# Altium PCB jetson-nano-0928-12.PcbDoc (part 3 of 6) (continued)
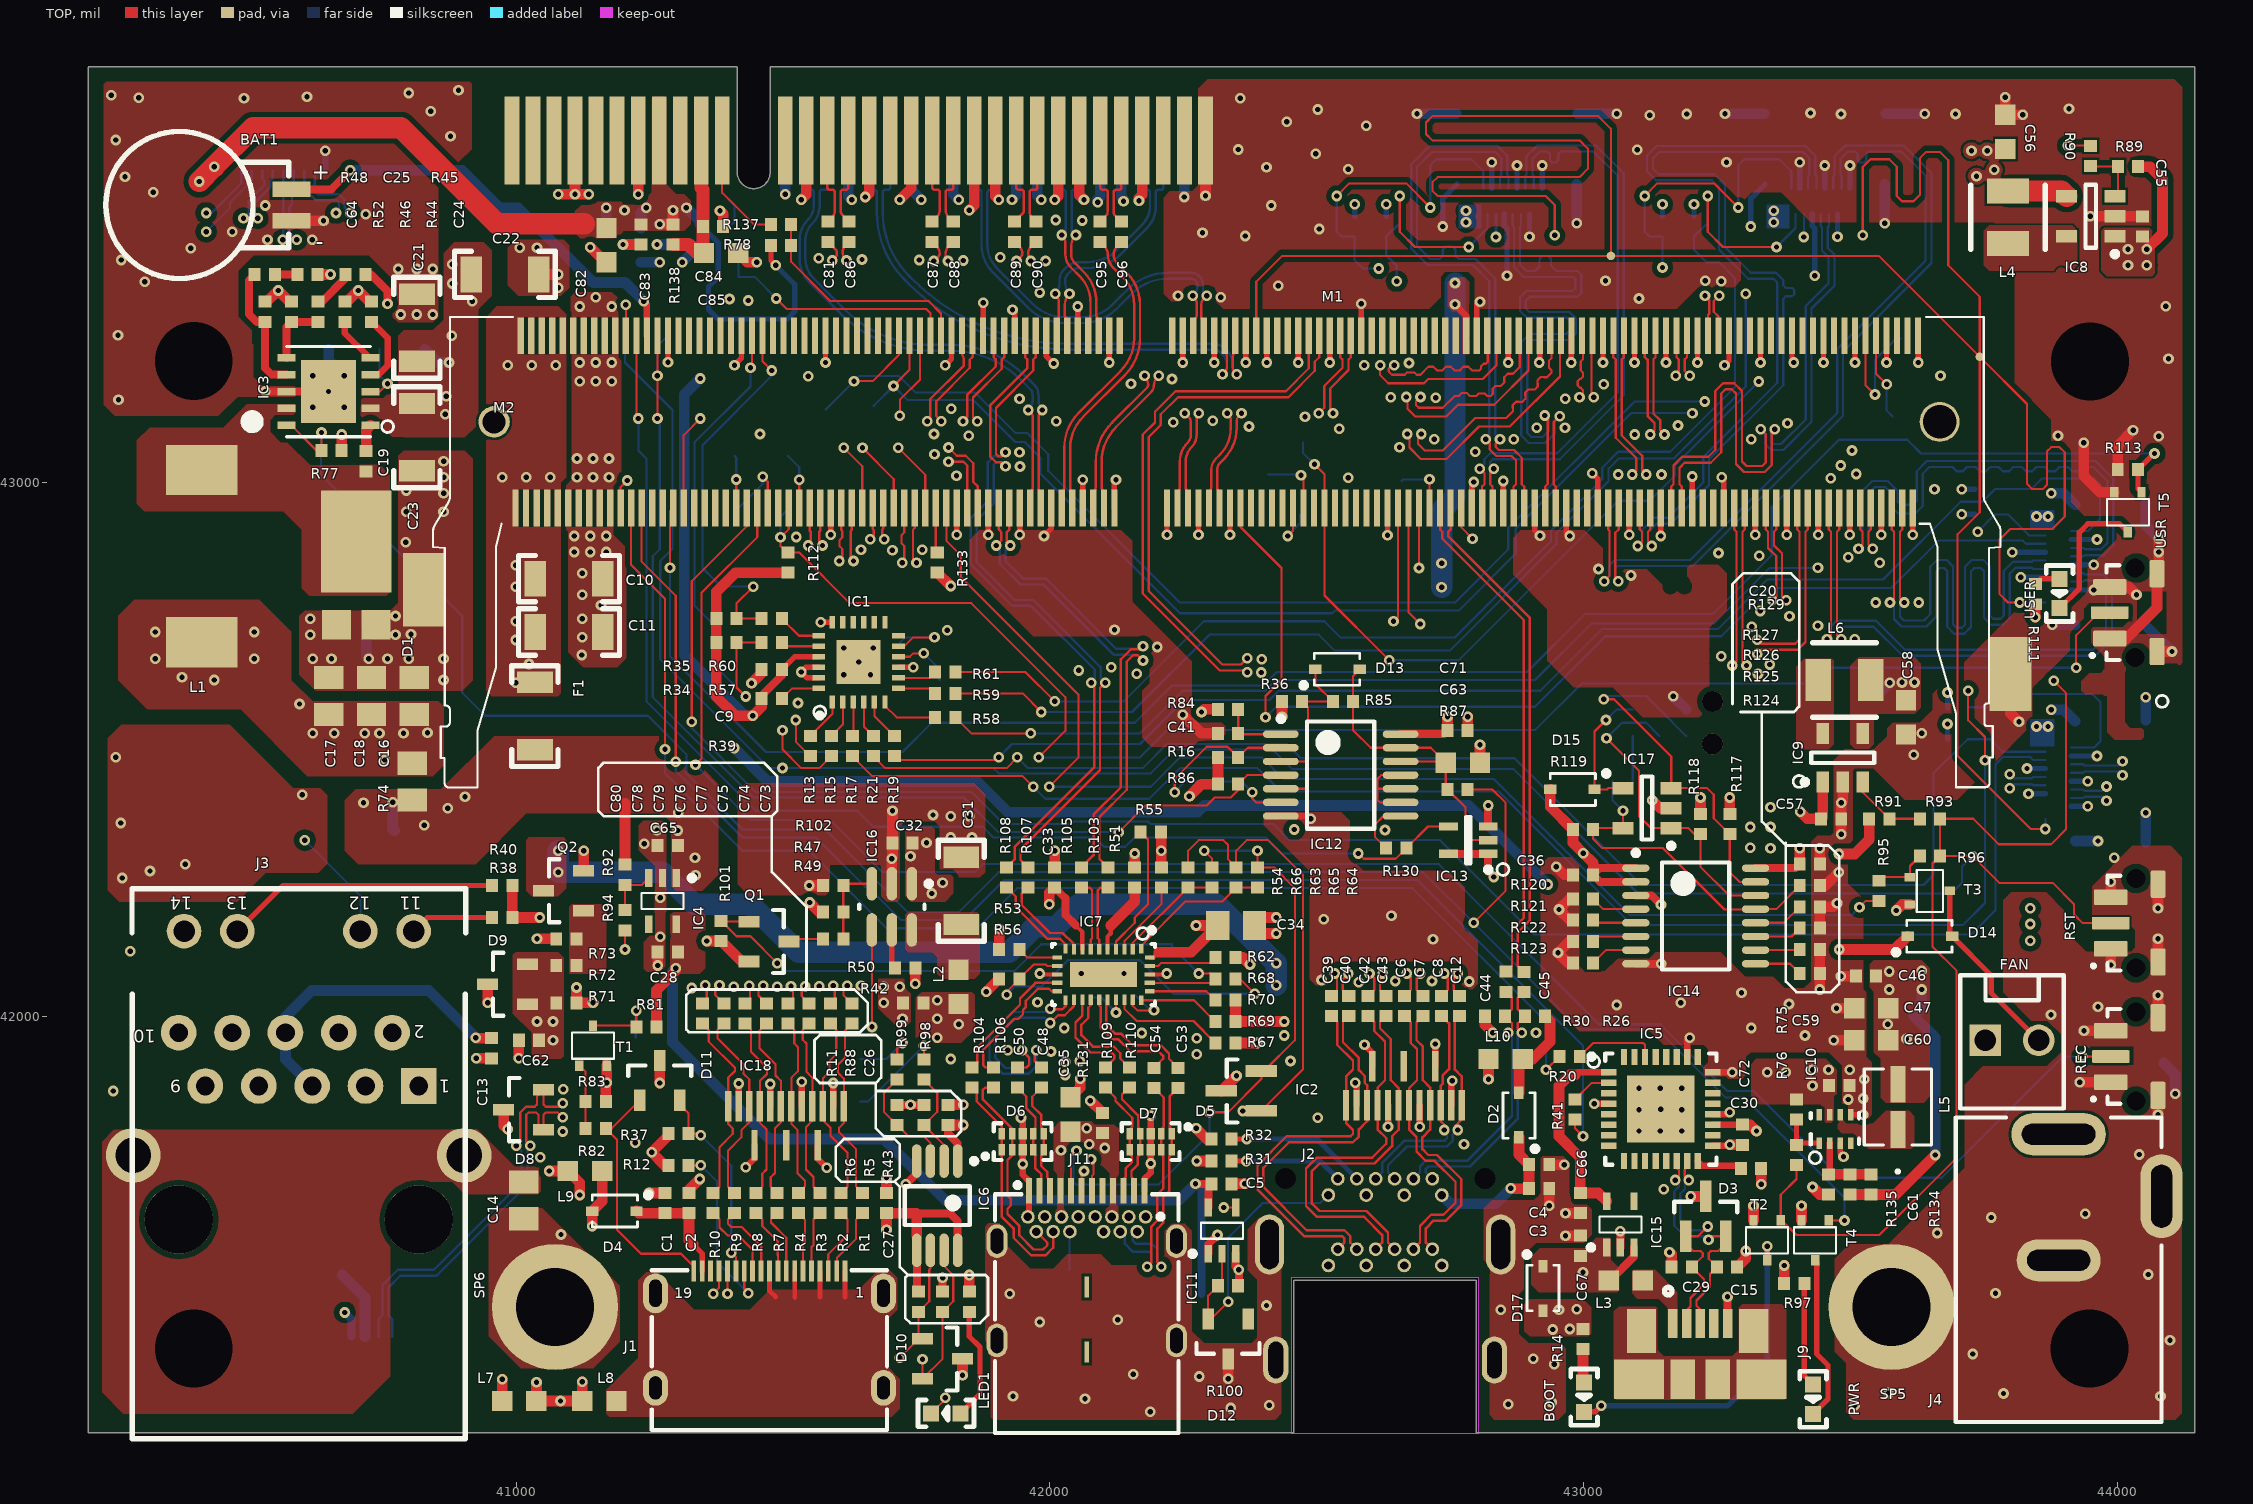
[diagram p0: TOP view]
## Nets (pads, with @x,y where several pads share a name; then routed paths per layer and width w, separated by ;. In a path a pad name is that pad's centre, name@x,y a point inside that pad or via, vN(x,y) a via of type N, cw(c..) or ccw(c..) an arc to the next point about the centre after c; other vN are vias at no path point) (continued)
GEN0_SCL: IC14.14 IC17.1 M1.185 R118.2 TP23.1 TP30.4 | length 3354.9
  TOP w4: v1(41706.82,43181.46) 41736.92,43211.56 M1.185@41736.93,43275.59 ; v1(43042.82,42521.47) 43103.82,42460.47 43103.82,42375.47 43126.23,42353.06 43196.23,42353.06 43207.73,42341.56 R118.2@43218.82,42341.56 43218.82,42280.47 43272.56,42226.73 IC14.14@43322.13,42226.73
  L4_SIG w5: v1(43042.82,42521.47) 43015.82,42548.47 43015.82,42727.47 43222.44,42934.09 43222.44,43111.85 v1(43203.82,43130.47)
  BOTTOM w4: TP23.1@41669.83,43144.47 v1(41706.82,43181.46) 41732.81,43155.47 41855.82,43155.47 41934.82,43076.47 41952.82,43076.47 41981.82,43047.47 41981.82,43017.47 42243.82,42755.47 42528.82,42755.47 42533.82,42760.47 42765.82,42760.47 42872.82,42867.47 42872.82,42914.47 43088.82,43130.47 v1(43203.82,43130.47) ; v1(43042.82,42521.47) 43071.82,42550.47 43117.01,42550.47 TP30.4@43142.12,42525.37
GEN0_SDA: IC14.15 IC17.3 M1.187 R117.2 TP24.1 TP30.3 TP30.6 | length 3545.9
  TOP w4: v1(41632.83,43190.47) 41667.82,43190.47 41717.24,43239.89 M1.187@41717.24,43275.59 ; v1(43037.82,42594.47) 43056.82,42594.47 43164.1,42487.19 IC17.3@43164.1,42427.86 43231.43,42427.86 43243.82,42415.47 43243.82,42371.56 R117.2@43273.82,42341.56 43273.82,42270.47 43291.97,42252.32 IC14.15@43322.13,42252.32
  L4_SIG w5: v1(43037.82,42594.47) 43037.82,42731.47 43233.82,42927.47 43233.82,43145.47 v1(43226.82,43152.47)
  BOTTOM w4: TP24.1@41579.83,43137.47 v1(41632.83,43190.47) 41642.83,43200.47 41716.82,43200.47 41747.82,43169.47 41858.82,43169.47 41934.71,43093.58 41956.93,43093.58 41996.82,43053.69 41996.82,43022.47 42243.82,42775.47 42758.82,42775.47 42858.82,42875.47 42858.82,42915.47 43095.82,43152.47 v1(43226.82,43152.47) ; v1(43037.82,42594.47) 43043.82,42600.47 43117.21,42600.47 TP30.3@43142.12,42575.57 TP30.6@43192.31,42525.37
GND: BAT1.- C1.1 C2.1 C3.1 C4.1 C5.1 C9.1 C10.1 C11.1 C13.2 C14.2 C15.1 C16.1 C17.1 C18.1 C20.1 C21.1 C22.1 C23.1 C24.2 C25.1 C26.2 C27.1 C28.1 C29.1 C30.1 C31.1 C32.1 C33.2 C34.1 C35.1 C36.1 C41.1 C46.1 C47.1 C55.1 C56.1 C57.1 C58.1 C59.1 C60.1 C62.1 C63.1 C64.1 C65.1 C66.1 C67.1 C71.1 C72.1 C82.1 C83.1 C84.1 C85.1 C91.1 C92.1 C93.1 C94.1 D1.A D3.3 D5.3 D6.3 D6.8 D7.3 D7.8 D8.3 D9.3 D10.3 D11.3 D12.3 IC1.0 IC1.9 IC1.18 IC1.22 IC1.23 IC2.2 IC2.5 IC2.8 IC2.11 IC3.8 IC3.11 IC4.2 IC5.4 IC5.17 IC5.20 IC5.24 IC5.26 IC5.33 IC6.4 IC7.13 IC7.28 IC7.31 IC8.2 IC9.2 IC10.3 IC10.5 IC11.1 IC11.3 IC12.7 IC13.3 IC14.3 IC14.8 IC15.2 IC16.2 IC17.2 IC18.2 IC18.5 IC18.8 IC18.11 J2.1 J2.7 J2.8 J2.13 J2.14 J2.19 J2.21 J2.22 J2.23 J2.24 J4.2 J4.3 J5.5 J6.4 J6.7 J6.10 J6.13 J6.16 J6.20 J6.21 J6.22 J6.23 J7.4 J7.7 J7.10 J7.13 J7.16 J7.20 J7.21 J7.22 J7.23 J9.5 J10.10 J11.A1 J11.A12 J11.B1 J11.B12 J11.Shell J12.A04 J12.A12 J12.A15 J12.A18 J12.A20 J12.A23 J12.A24 J12.A27 J12.A28 J12.A31 J12.B04 J12.B07 J12.B13 J12.B16 J12.B18 J12.B21 J12.B22 J12.B25 J12.B26 J12.B29 J12.B32 J13.4 J13.7 J13.10 J13.13 J13.16 J13.20 J13.21 J13.22 J13.23 J14.4 J14.7 J14.10 J14.13 J14.16 J14.20 J14.21 J14.22 J14.23 L7.2 L8.1 M1.1 M1.2 M1.7 M1.8 M1.13 M1.14 M1.19 M1.20 M1.25 M1.26 M1.31 M1.32 M1.37 M1.38 M1.43 M1.44 M1.49 M1.50 M1.55 M1.56 M1.61 M1.62 M1.67 M1.68 M1.73 M1.74 M1.79 M1.80 M1.85 M1.86 M1.102 M1.107 M1.113 M1.119 M1.125 M1.129 M1.132 M1.135 M1.138 M1.141 M1.144 M1.146 M1.147 M1.152 M1.153 M1.158 M1.159 M1.164 M1.165 M1.170 M1.171 M1.176 M1.177 M1.200 M1.201 M1.217 M1.231 M1.241 M1.242 M1.243 M1.244 M1.245 M1.246 M1.247 M1.248 M1.249 M1.250 M1.261 M1.262 Q2.2 R12.1 R30.1 R31.1 R32.1 R37.2 R44.2 R50.1 R52.1 R56.1 R62.1 R73.2 R83.2 R100.1 R102.1 R113.2 R120.2 R121.2 R122.2 R123.2 R124.2 R125.2 R126.2 R127.2 R129.1 R131.1 R133.2 R135.1 REC.1 REC.3 REC.SH1 REC.SH2 RST.1 RST.3 RST.SH1 RST.SH2 SP1.1 SP2.1 SP3.1 SP5.1 SP6.1 T1.2 T2.2 T3.2 T4.2 T5.2 TP17.1 TP30.5 TP44.1 USR.1 USR.3 USR.SH1 USR.SH2 | length 13765.6
  TOP w8: v1(41980.82,42080.47) 41982.55,42078.74 IC7.13@42013.5,42078.74 ; IC7.28@42186.72,42078.74 42217.09,42078.74 v1(42218.82,42080.47)
  TOP w10: v1(41284.17,43225.82) M1.231@41284.17,43275.59 ; v1(41408.82,43220.47) 41421.96,43233.61 M1.217@41421.96,43275.59 ; IC1.23@41566.68,42634.58 41544.71,42634.58 v1(41533.82,42645.47) 41542.62,42654.27 IC1.22@41566.68,42654.27 ; v1(41570.82,42738.91) IC1.18@41592.27,42738.91 ; v1(41579.44,43225.47) M1.201@41579.45,43275.59 ; v1(41589.29,42902.64) M1.200@41589.29,42952.76 ; IC1.9@41716.28,42654.27 v1(41743.82,42654.27) ; v1(41803.82,43220.47) 41815.66,43232.31 M1.177@41815.67,43275.59 ; v1(41825.51,42902.64) M1.176@41825.51,42952.76 ; M1.171@41874.72,43275.59 v1(41874.72,43337.47) ; v1(41884.56,42902.64) M1.170@41884.56,42952.76 ; v1(41929.82,43324.47) 41933.77,43320.52 M1.165@41933.78,43275.59 ; v1(41943.62,42902.64) M1.164@41943.62,42952.76 ; v1(41988.82,42900.47) 42002.67,42914.32 M1.158@42002.67,42952.76 ; M1.159@41992.83,43275.59 41992.83,43237.46 v1(42006.82,43223.47) ; M1.153@42051.89,43275.59 v1(42051.88,43330.47) ; M1.152@42061.73,42952.76 v1(42061.73,43005.47) ; v1(42110.94,43225.47) M1.147@42110.94,43275.59 ; M1.146@42120.78,42952.76 42120.78,43002.43 v1(42123.82,43005.47) ; v1(42219.21,42902.64) M1.144@42219.21,42952.76 ; v1(42248.74,43225.47) M1.141@42248.74,43275.59 ; v1(42278.26,42902.64) M1.138@42278.26,42952.76 ; v1(42307.79,43225.47) M1.135@42307.79,43275.59 ; v1(42337.32,42902.64) M1.132@42337.32,42952.76 ; v1(42366.85,43225.47) M1.129@42366.85,43275.59 ; v1(42406.22,43225.47) M1.125@42406.22,43275.59 ; v1(42465.27,43225.47) M1.119@42465.27,43275.59 ; v1(42524.33,43225.47) M1.113@42524.33,43275.59 ; M1.107@42583.38,43275.59 v1(42583.38,43335.47) ; v1(42632.59,42901.47) M1.102@42632.59,42952.76 ; M1.86@42790.08,42952.76 42790.07,42997.72 v1(42793.82,43001.47) ; M1.85@42799.92,43275.59 42799.92,43333.57 v1(42805.82,43339.47) ; M1.80@42849.13,42952.76 v1(42849.13,43003.47) ; v1(42858.97,43225.47) M1.79@42858.97,43275.59 ; M1.74@42908.19,42952.76 42908.18,42911.11 v1(42918.32,42900.97) ; v1(42916.82,43225.47) 42918.03,43226.68 M1.73@42918.03,43275.59 ; M1.68@42967.24,42952.76 42967.24,42907.05 v1(42973.82,42900.47) ; v1(42977.08,43225.47) M1.67@42977.08,43275.59 ; v1(43016.32,43017.97) 43026.29,43008 M1.62@43026.3,42952.76 ; v1(43036.14,43225.47) M1.61@43036.14,43275.59 ; v1(43085.35,42902.47) M1.56@43085.35,42952.76 ; v1(43095.19,43225.47) M1.55@43095.19,43275.59 ; v1(43144.4,42900.47) M1.50@43144.41,42952.76 ; v1(43154.25,43225.47) M1.49@43154.25,43275.59 ; M1.44@43203.46,42952.76 v1(43203.46,43011.81) ; v1(43213.3,43225.47) M1.43@43213.3,43275.59 ; v1(43258.82,43010.47) 43262.51,43006.78 M1.38@43262.52,42952.76 ; v1(43263.82,43220.47) 43272.36,43229.01 M1.37@43272.36,43275.59 ; v1(43321.57,42902.64) M1.32@43321.57,42952.76 ; v1(43331.41,43225.47) M1.31@43331.41,43275.59 ; v1(43380.62,42902.64) M1.26@43380.63,42952.76 ; M1.25@43390.47,43275.59 43390.47,43228.82 v1(43393.82,43225.47) ; v1(43439.68,42902.64) M1.20@43439.68,42952.76 ; v1(43449.52,43225.47) M1.19@43449.53,43275.59 ; IC10.3@43480.8,41762.9 43480.8,41743.49 v1(43486.82,41737.47) ; v1(43498.74,42902.64) M1.14@43498.74,42952.76 ; IC10.5@43500.49,41816.04 v1(43523.82,41816.04) ; v1(43508.58,43225.47) M1.13@43508.58,43275.59 ; v1(43557.79,42902.64) M1.8@43557.79,42952.76 ; v1(43567.63,43225.47) M1.7@43567.64,43275.59 ; v1(43616.85,42902.64) M1.2@43616.85,42952.76 ; v1(43626.69,43225.47) M1.1@43626.69,43275.59
  TOP w12: IC18.11@41417.04,41831.7 v1(41417.04,41874.47) ; IC18.8@41476.09,41831.7 v1(41476.09,41873.47) ; IC18.5@41535.15,41831.7 v1(41535.15,41877.47) ; IC18.2@41594.2,41831.7 v1(41594.2,41875.37) ; v1(41945.82,41810.47) 41948.82,41807.47 D6.8@41948.82,41780.63 D6.3@41948.82,41750.31 v1(41948.82,41723.47) 41948.82,41703.47 41960.66,41691.63 J11.A1@41960.66,41673.67 41960.66,41626.43 J11.B12@41958.69,41624.46 ; J11.A12@42177.19,41673.67 42177.19,41695.84 42188.81,41707.46 v1(42188.81,41724.48) D7.8@42188.82,41750.31 D7.3@42188.82,41780.63 v1(42188.81,41814.46) ; IC12.7@42432.62,42375.56 42483.73,42375.56 v1(42488.82,42370.47) ; v1(42572.32,41875.97) 42574.52,41873.77 IC2.2@42574.52,41833.66 ; v1(42633.57,41793.47) IC2.5@42633.57,41833.66 ; v1(42692.63,41793.47) IC2.8@42692.63,41833.66 ; IC2.11@42751.68,41833.66 42751.68,41877.33 v1(42753.82,41879.47) ; v1(43019.66,41836.31) IC5.4@43047.24,41836.31 ; IC5.26@43193.89,41923.91 43193.89,41955.54 v1(43198.82,41960.47) ; IC5.17@43242.12,41757.57 43271.82,41757.57 v1(43273.82,41759.57) ; IC5.20@43242.12,41816.63 43269.98,41816.63 v1(43273.82,41820.47) ; IC5.24@43242.12,41895.37 v1(43278.72,41895.37)
  TOP w15: v1(40529.4,43171.05) 40569.35,43171.05 v2(40648.09,43171.05) ; v1(41729.82,41685.47) 41750.43,41706.08 IC6.4@41750.43,41729.13 ; IC11.1@42296.68,41555.47 42296.68,41573.33 v1(42313.82,41590.47) ; IC11.3@42347.86,41555.47 42347.86,41531.43 v1(42353.82,41525.47) 42353.82,41496.57 R100.1@42352.72,41495.47 ; IC13.3@42821.22,42356.06 v1(42821.22,42395.47) ; IC15.2@43068.82,41567.16 v1(43068.82,41597.47) ; IC14.8@43097.73,42098.77 v1(43145.12,42098.77) ; IC14.3@43097.73,42226.73 43127.56,42226.73 v1(43144.82,42209.47) ; J9.5@43269.65,41427.67 v1(43269.65,41474.64)
  TOP w20: C64.1@40528.82,43339.36 40532.71,43339.36 v1(40553.82,43360.47) 40574.93,43339.36 R52.1@40578.82,43339.36 ; BAT1.-@40578.82,43490.94 v1(40638.82,43490.94) ; C25.1@40627.72,43390.47 v1(40651.82,43390.47) ; R44.2@40678.82,43339.37 40682.72,43339.37 v1(40703.82,43360.47) 40724.92,43339.37 C24.2@40728.82,43339.37 ; v1(40924.92,41921.57) C13.2@40953.82,41921.57 ; v1(40946.43,42025.47) D9.3@40946.43,42060.47 ; D8.3@40976.43,41825.47 40976.43,41795.86 v1(40983.82,41788.47) ; v1(41004.92,41921.57) C62.1@41004.92,41955.47 ; v1(41037.77,41314.42) L7.2@41037.77,41279.47 v1(41082.82,41279.47) L8.1@41123.59,41279.47 v1(41123.59,41315.7) ; v1(41038.82,42145.47) R73.2@41074.92,42145.47 ; C22.1@41041.82,43390.47 v1(41078.82,43390.47) ; v1(41078.82,43540.47) v1(41110.2,43540.47) ; J12.B04@41110.2,43641.26 v1(41110.2,43540.47) ; Q2.2@41126.22,42272.87 v1(41126.22,42310.47) ; v1(41135.82,43540.47) v1(41110.2,43540.47) ; v1(41138.82,43441.47) 41166.91,43413.38 C82.1@41168.82,43413.38 ; R83.2@41167.72,41840.47 41167.72,41874.37 v1(41169.41,41876.06) T1.2@41169.41,41908.07 ; v1(41199.92,43446.57) C83.1@41233.82,43446.57 ; v1(41228.31,43540.47) J12.B07@41228.31,43641.26 ; v1(41248.82,41669.37) C1.1@41278.82,41669.37 ; v1(41264.92,42095.47) C28.1@41264.92,42120.47 ; v1(41268.82,41875.47) D11.3@41268.82,41917.87 ; R37.2@41284.92,41780.47 41284.92,41776.57 v1(41253.82,41745.47) 41278.82,41720.47 R12.1@41284.93,41720.47 ; C2.1@41323.82,41669.37 41323.82,41675.47 v1(41343.82,41695.47) ; v1(41381.82,43509.47) 41387.72,43503.57 C84.1@41387.72,43480.47 ; C85.1@41415.91,43430.48 41432.92,43413.47 v1(41450.82,43413.47) ; v1(41440.82,42624.47) 41459.92,42643.57 C9.1@41459.92,42650.47 ; v1(41533.82,43530.47) 41543.27,43539.92 J12.B13@41543.27,43641.26 ; v1(41548.82,42245.47) R102.1@41574.92,42245.47 ; v1(41653.82,43535.47) 41661.39,43543.04 J12.B16@41661.38,43641.26 ; C27.1@41693.82,41669.37 v1(41693.82,41697.47) ; IC16.2@41703.81,42248.79 v1(41703.81,42295.47) 41703.81,42297.46 41704.93,42298.58 C32.1@41704.93,42325.47 v1(41704.93,42385.47) ; v1(41718.82,43530.47) 41740.13,43551.78 J12.B18@41740.12,43641.26 ; v1(41747.72,42061.57) R50.1@41747.72,42090.47 ; R133.2@41788.82,42831.58 v1(41813.88,42806.52) ; C26.2@41808.82,41834.37 v1(41837.72,41834.37) ; v1(41836.08,41327.73) D10.3@41836.08,41358.47 ; v1(41848.82,43510.47) 41858.24,43519.89 J12.B21@41858.23,43641.26 ; v1(41880.87,42046.42) R56.1@41904.92,42070.47 ; J12.B22@41897.6,43641.26 41897.61,43536.68 v1(41903.82,43530.47) ; C33.2@42008.82,42279.38 v1(42008.82,42310.47) ; v1(42008.82,43530.47) 42015.72,43537.37 J12.B25@42015.71,43641.26 ; C35.1@42038.81,41848.57 42056.82,41866.58 v1(42056.82,41883.47) ; J12.B26@42055.08,43641.26 42055.09,43539.2 v1(42063.82,43530.47) ; v1(42075.77,41842.42) R131.1@42098.82,41819.37 ; v1(42166.82,43528.47) 42166.82,43533.47 42173.2,43539.85 J12.B29@42173.19,43641.26 ; v1(42248.82,42565.47) 42283.82,42530.47 C41.1@42314.92,42530.47 ; v1(42273.82,41790.47) 42293.82,41770.47 R32.1@42302.78,41770.47 ; v1(42275.07,41729.22) R31.1@42302.78,41729.22 ; v1(42291.31,43537.98) J12.B32@42291.3,43641.26 ; D5.3@42321.42,41860.47 v1(42349.62,41888.67) ; v1(42333.82,41321.47) D12.3@42333.82,41358.07 ; C5.1@42340.58,41686.47 v1(42364.82,41686.47) ; R62.1@42347.72,42110.47 42361.82,42110.47 v1(42374.82,42097.47) ; v1(42423.82,42155.47) 42398.27,42155.47 C34.1@42383.27,42170.47 42398.27,42185.47 v1(42423.82,42185.47) ; C71.1@42782.72,42535.47 v1(42782.72,42561.57) ; C63.1@42805.91,42475.47 v1(42805.91,42509.47) ; R30.1@42814.92,42000.47 42814.92,41984.37 v1(42829.82,41969.47) ; v1(42935.58,41645.47) C3.1@42935.58,41677.47 ; C4.1@42935.58,41722.47 v1(42963.82,41722.47) ; v1(42948.82,42280.47) 42963.82,42265.47 C36.1@42979.93,42265.47 ; v1(42965.92,41631.57) C66.1@42993.82,41631.57 ; v1(42965.93,41589.36) C67.1@42993.82,41589.36 ; R123.2@42979.92,42100.47 42970.82,42100.47 v1(42951.82,42119.47) 42972.82,42140.47 R122.2@42979.93,42140.47 ; R120.2@42979.92,42220.47 42973.82,42220.47 v1(42953.82,42200.47) 42973.82,42180.47 R121.2@42979.93,42180.47 ; v1(43128.82,42405.47) 43143.83,42390.46 IC17.2@43164.1,42390.46 ; v1(43160.82,41558.47) 43164.93,41554.36 C29.1@43164.93,41530.47 ; v1(43200.82,41662.87) D3.3@43228.83,41662.87 ; v1(43273.82,41759.57) C72.1@43297.68,41759.57 ; C15.1@43287.71,41530.47 43303.82,41546.58 v1(43303.82,41560.47) ; T2.2@43318.23,41617.87 v1(43318.23,41645.47) ; v1(43332.72,41685.47) C30.1@43332.72,41715.47 ; T4.2@43408.23,41617.87 v1(43408.23,41645.47) ; v1(43428.82,41680.47) 43442.72,41666.57 R135.1@43458.82,41666.57 ; v1(43442.72,42050.47) R124.2@43442.72,42080.47 R125.2@43442.72,42125.47 ; R126.2@43442.72,42165.47 R127.2@43442.72,42205.47 43467.82,42205.47 v1(43474.82,42212.47) ; R129.1@43442.72,42245.47 43452.82,42245.47 v1(43477.82,42270.47) ; C20.1@43442.72,42285.47 v1(43442.72,42315.47) ; v1(43468.82,41955.47) C60.1@43506.73,41955.47 ; v1(43473.82,42015.47) C47.1@43506.74,42015.47 ; v1(43481.82,42075.47) C46.1@43509.92,42075.47 ; v1(43482.72,42341.57) C57.1@43482.72,42370.47 v1(43482.72,42400.47) 43485.54,42403.29 IC9.2@43485.54,42439.34 ; v1(43585.82,42198.47) 43597.23,42209.88 T3.2@43611.42,42209.88 ; v1(43790.12,43722.48) C56.1@43790.12,43689.57 v1(43823.03,43689.57) ; M1.262@43799.92,42641.73 43799.92,42568.37 v1(43815.82,42552.47) ; v1(43929.48,41876.77) REC.1@43987.76,41876.77 ; v1(43937.01,43074.8) 43937.01,43012.72 43967.44,42982.28 T5.2@43994.09,42982.28 ; v1(43937.56,41973.23) REC.3@43987.76,41973.23 ; v1(43949.12,43499.48) IC8.2@43995.53,43499.48 ; v1(43987.76,42096.52) RST.1@43987.76,42126.77 ; RST.3@43987.76,42223.23 v1(43987.76,42252.49) ; USR.1@43988.78,42708.39 44016.74,42708.39 44074.41,42766.06 USR.SH1@44074.41,42829.45 ; USR.3@43988.78,42804.85 44021.44,42804.85 v1(44035.82,42790.47) ; IC8.2@43995.64,43499.38 C55.1@44047.26,43499.38 ; R113.2@44000.79,43024.88 44000.79,43069.69 v1(44029.53,43098.43) ; USR.SH2@44074.41,42683.79 v1(44102.36,42683.79) ; v1(44076.34,41815.91) REC.SH2@44076.34,41852.17 ; REC.SH1@44076.34,41997.83 v1(44076.34,42039.91) ; RST.SH2@44076.34,42102.17 v1(44076.34,42145.97) ; v1(44076.34,42202.59) RST.SH1@44076.34,42247.83 ; USR.SH1@44077.36,42829.45 v1(44077.36,42870.47) v1(44077.36,42895.67)
  BOTTOM w10: v1(42736.22,43480.32) 42736.22,43532.91 J7.20@42762.8,43559.49 ; J7.16@42827.76,43552.01 v1(42827.76,43600.39) ; J7.13@42851.38,43503.78 42851.38,43481.3 42856.3,43476.38 v1(42856.3,43387.8) ; J7.10@42875,43552.01 v1(42875,43594.49) ; v1(42898.62,43461.3) J7.7@42898.62,43503.78 ; J7.4@42922.24,43552.01 v1(42922.24,43594.49) ; v1(43313.22,43480.32) 43313.22,43532.91 J13.20@43339.8,43559.49 ; J13.16@43404.76,43552.01 v1(43404.76,43600.39) ; J13.13@43428.38,43503.78 43428.38,43481.3 43433.3,43476.38 v1(43433.3,43387.8) ; J13.10@43452,43552.01 v1(43452,43594.49) ; v1(43475.62,43461.3) J13.7@43475.62,43503.78 ; J13.4@43499.24,43552.01 v1(43499.24,43594.49) ; v1(43803.15,42870.08) J6.13@43865.16,42870.08 ; v1(43818.9,42822.84) J6.7@43865.16,42822.84 ; v1(43830.71,42464.56) J14.13@43865.16,42464.56 ; v1(43833.66,42417.32) J14.7@43865.16,42417.32 ; J14.4@43913.39,42393.7 v1(43944.88,42393.7) ; J14.10@43913.39,42440.94 v1(43944.88,42440.94) ; J14.16@43913.39,42488.18 v1(43961.77,42488.18) ; J6.4@43913.39,42799.22 v1(43955.87,42799.22) ; J6.10@43913.39,42846.46 v1(43955.87,42846.46) ; J6.16@43913.39,42893.7 v1(43961.77,42893.7)
  BOTTOM w12: J10.10@40642.09,43584.77 v1(40642.09,43622.2)
  BOTTOM w15: v1(40678.82,41445.47) 40690.92,41433.37 J5.5@40690.92,41400.12
  BOTTOM w20: TP17.1@40648.82,43250.47 40648.82,43229.38 v2(40677.62,43200.58) ; TP44.1@40718.82,42725.47 40718.82,42675.47 v1(40723.82,42670.47) ; v1(41110.2,43540.47) J12.A04@41110.2,43641.26 ; v1(41138.82,43441.47) 41140.73,43441.47 C93.1@41168.82,43413.39 ; C91.1@41233.82,43413.38 v1(41268.82,43413.38) ; v1(41263.82,43446.57) C94.1@41293.82,43446.57 ; v1(41310.77,43413.52) C92.1@41343.82,43446.57 ; v1(41503.9,43540.39) J12.A12@41503.9,43641.26 ; J12.A15@41622.01,43641.26 41622.01,43537.28 v1(41628.82,43530.47) ; J12.A18@41740.12,43641.26 41740.13,43549.16 v1(41758.82,43530.47) ; J12.A20@41818.86,43641.26 41818.87,43540.42 v1(41828.82,43530.47) ; v1(41928.82,43530.47) 41936.98,43538.63 J12.A23@41936.97,43641.26 ; J12.A24@41976.35,43641.26 41976.35,43537.94 v1(41983.82,43530.47) ; v1(42089.82,43525.47) 42089.82,43531.47 42094.46,43536.11 J12.A27@42094.45,43641.26 ; J12.A28@42133.82,43641.26 42133.83,43535.46 42136.82,43532.47 42136.82,43528.47 v1(42137.82,43527.47) ; v1(42251.94,43535.47) J12.A31@42251.93,43641.26 ; v1(42687.83,43691.77) J7.22@42760.83,43691.77 ; v1(42987.2,43486.49) J7.21@42987.2,43559.49 ; J7.23@42989.17,43691.77 v1(43062.17,43691.77) ; v1(43168.11,42599.77) TP30.5@43192.31,42575.57 ; v1(43264.83,43691.77) J13.22@43337.83,43691.77 ; v1(43564.2,43486.49) J13.21@43564.2,43559.49 ; J13.23@43566.17,43691.77 v1(43639.17,43691.77) ; v1(43875.98,42574.8) 43899.21,42574.8 J14.20@43920.87,42553.14 ; v1(43875.98,42980.32) 43899.21,42980.32 J6.20@43920.87,42958.66 ; v1(43877.96,42734.26) J6.21@43920.87,42734.26 ; J14.21@43920.87,42328.74 v1(43963.78,42328.74) ; J14.23@44053.15,42326.77 v1(44053.15,42381.89) ; J14.22@44053.15,42555.11 v1(44053.15,42598.03) ; J6.23@44053.15,42732.29 v1@44101.65,42683.79 ; J6.22@44053.15,42960.63 44053.15,42919.88 v1(44077.36,42895.67) ; 44087.09,41912.91 44108.82,41891.18 v1(44108.82,41855.47)
  other v1: 42187.82,41259.47 42338.82,41266.47 42410.82,41271.47 43507.82,41271.47 42858.82,41273.47 42939.82,41277.47 42065.82,41283.47 41930.82,41288.47 44080.82,41288.47 43786.82,41293.47 43571.82,41294.47 42279.82,41325.47 42155.82,41329.47 42944.82,41348.47 42905.82,41358.47 43728.82,41367.47 44098.82,41393.47 41980.82,41427.47 42126.82,41431.47 42844.82,41450.47 42405.82,41458.47 41924.82,41480.47 43771.82,41481.47 44057.82,41516.47 41083.82,41591.47 43662.82,41594.47 43763.82,41623.47 43939.82,41630.47 43149.82,41676.47 41044.82,41736.47 44040.82,41741.47 42775.82,41760.47 41222.82,41763.47 41086.82,41784.47 43103.82,41785.47 43143.82,41785.47 43183.82,41785.47 42501.82,41810.47 43103.82,41825.47 43183.82,41825.47 43144.68,41826.47 43495.82,41844.47 43523.82,41846.47 40244.82,41860.47 41087.82,41863.47 43103.82,41865.47 43143.82,41865.47 43183.82,41865.47 43525.82,41882.47 43498.82,41900.47 42275,41929 42001.82,41934.47 41920.82,41936.47 42274.82,41959.47 43414.82,41964.47 42172,41969 42910.82,41969.47 42026.82,41978.47 43313.82,41978.47 43875.83,42003.46 43963.82,42018.47 43061.82,42021.47 43384.82,42023.47 43181.82,42025.47 41976.82,42026.47 43295.82,42044.47 41328.82,42053.47 41407.82,42055.47 41488.82,42055.47 41567.82,42056.47 41645.82,42057.47 42578.82,42064.47 42785.82,42065.47 42646.82,42066.47 42715.82,42066.47 42508.82,42068.47 42058.82,42080.47 42138.82,42080.47 40276.82,42122.47 42717.82,42144.47 41269.82,42149.47 42512.82,42182.47 42639.82,42188.47 41269.82,42222.47 40261.82,42259.47 40313.82,42272.47 40379.82,42285.47 43994.09,42297.24 41239.82,42323.47 41813.82,42335.47 41853.82,42335.47 41263.82,42349.47 40258.82,42362.47 41813.82,42375.47 41848.82,42375.47 41780.82,42377.47 40598.82,42415.47 40249.82,42485.47 43618.82,42490.47 43633.82,42530.47 41527.82,42587.47 40863.82,42630.47 41613.82,42640.47 41663.82,42640.47 42162.82,42642.47 43326.77,42641.73 42395.82,42644.47 42053.82,42648.47 42114.82,42654.47 43348.43,42659.45 41641.48,42664.11 42396.82,42669.47 40618.82,42670.47 40653.82,42670.47 40758.82,42670.47 40798.82,42670.47 40863.82,42670.47 43257.87,42675.2 41122.82,42677.47 41613.82,42690.47 41668.82,42690.47 42200.82,42692.47 43507.87,42706.69 41123.82,42710.47 40613.82,42715.47 40773.82,42715.47 40802.82,42716.47 41807.82,42723.47 42120.82,42724.47 43314.96,42730.32 43438.98,42732.28 40613.82,42745.47 41123.82,42745.47 40773.82,42750.47 43385.83,42750 43330.71,42759.84 41158.82,42770.47 43547.24,42775.59 43627.95,42775.59 41123.82,42790.47 43088.82,42826.47 41123.82,42830.47 43027.82,42838.47 43555.12,42850.39 43496.06,42860.24 41108.82,42870.47 41138.82,42870.47 41168.82,42870.47 41704.82,42873.47 41645.82,42874.47 41760.82,42874.47 40792.82,42888.47 41524.82,42898.47 41108.82,42900.47 41138.82,42900.47 41168.82,42900.47 40793.82,42945.47 40863.82,42945.47 40863.82,42980.47 40793.82,42985.47 43657.48,42988.19 42558.82,43009.47 40863.82,43010.47 41113.82,43010.47 41143.82,43010.47 41173.82,43010.47 41824.82,43013.47 43064.82,43015.47 43145.82,43015.47 41943.82,43030.47 40863.82,43040.47 41113.82,43045.47 41143.82,43045.47 41173.82,43045.47 41783.82,43053.47 41942.82,43057.47 42796.82,43058.47 42654.82,43066.47 42719.82,43081.47 42868.82,43081.47 43313.87,43081.5 44077.82,43087.47 41847.82,43088.47 43888.82,43088.47 43095.82,43090.47 41456.82,43091.47 41782.82,43091.47 42541.82,43101.47 42912,43103 42965,43103 42372.82,43105.47 43176.82,43107.47 43381.87,43111.5 42230.82,43113.47 42011.82,43115.47 42304.82,43116.47 42477.82,43123.47 41814.82,43138.47 40254.82,43155.47 41942.82,43157.47 42965.82,43157.47 42722.82,43159.47 42638.82,43160.47 43037.82,43184.47 42151.82,43185.47 41118.82,43190.47 41148.82,43190.47 41178.82,43190.47 42228.82,43194.47 41546.82,43199.47 43668.82,43200.47 42588.82,43220.47 42672.82,43224.47 41118.82,43225.47 41148.82,43225.47 41178.82,43225.47 44095.82,43232.47 40253.82,43276.47 40783.82,43315.47 40813.82,43315.47 40843.82,43315.47 41118.82,43330.47 41178.82,43330.47 44090.55,43330.71 41434.82,43341.47 41399.61,43344.49 43103.82,43345.47 41148.82,43347.47 42319.82,43347.47 42239.82,43350.47 41980.82,43356.47 41078.82,43365.47 42427.82,43369.47 40303.82,43376.47 43257.82,43377.47 43040.82,43378.47 43227.82,43378.47 40778.82,43400.47 40813.82,43400.47 40843.82,43400.47 41991.82,43415.47 41837.82,43416.47 40259.82,43417.47 41754.82,43417.47 41647.82,43418.47 41566.82,43420.47 41906.82,43422.47 40389.82,43439.47 41006.82,43440.47 41038.82,43440.47 40533.82,43455.47 40617.82,43455.47 42365.82,43462.47 42285.82,43468.47 40467.82,43470.47 42504.82,43475.47 42060.82,43491.47 42010.82,43492.47 40717.82,43503.47 40529.82,43519.47 42414.82,43519.47 40319.82,43544.47 40266.82,43573.47 42558.82,43587.47 42405.82,43591.47 43267.72,43600.39 42497.82,43616.47 42352.82,43624.47 43100.39,43624.02 40249.82,43642.47 40876.82,43649.47 42592.52,43669.29 42443.82,43676.47 43124.02,43688.98 43192.91,43690.94 43482.28,43690.94 43696.85,43690.94 43425.2,43692.91 40839.82,43696.47 42501.82,43699.47 43909.45,43700.79 40489.82,43720.47 42356.82,43720.47 40292.82,43721.47 40607.82,43723.47 40240.82,43726.47 40798.82,43730.47 40891.82,43735.47
  other v2: 40618.56,43141.52 40677.62,43141.52 40618.56,43200.58
HDMI_PWR: C27.2 D4.A IC6.5 IC6.8 IC18.13 IC18.15 L9.2 R5.1 R6.1 | length 1398.8
  TOP w12: v1(41429.82,41717.47) 41446.56,41734.21 IC18.15@41446.57,41758.86 ; IC18.13@41564.68,41758.86 41564.68,41733.61 v1(41581.82,41716.47)
  TOP w15: IC6.5@41750.43,41588.85 IC6.5@41750.43,41561.81 41750.43,41487.75 R6.1@41753.82,41484.36 ; 41750.43,41630.47 41813.82,41630.47 41827.21,41617.08 IC6.8@41827.21,41561.81 ; R5.1@41798.82,41484.36 v1(41798.82,41510.47)
  TOP w20: v1(41142.28,41607.01) D4.A@41142.28,41635.47 41160.92,41654.11 L9.2@41160.92,41710.47 ; v1(41693.82,41600.47) C27.2@41693.82,41631.57 41749.33,41631.57 41750.43,41630.47 IC6.5@41750.43,41588.85
  L4_SIG w20: v1(41142.28,41607.01) 41319.36,41607.01 v1(41429.82,41717.47) 41580.82,41717.47 v1(41581.82,41716.47) 41581.82,41712.47 v1(41693.82,41600.47) 41708.82,41600.47 v1(41798.82,41510.47)
HDMI_SHIELD: J1.1 J1.4 J1.7 J1.10 J1.Shell L8.2 | length 199
  TOP w9: J1.10@41474.44,41522.68 41474.44,41485.85 41485.82,41474.47 ; 41521.68,41473.61 J1.7@41521.69,41522.68 ; 41568.93,41474.58 J1.4@41568.93,41522.68 ; 41616.17,41473.82 J1.1@41616.17,41522.68
M2_ALERT: M1.212 TP2.1 | length 143.5
  TOP w4: v1(41461.82,43011.47) 41471.18,43002.11 M1.212@41471.18,42952.76
  BOTTOM w4: TP2.1@41413.82,42950.47 41461.82,42998.47 v1(41461.82,43011.47)
ML_C_LANE0_N: C40.2 IC2.3 J2.5 | length 724.7
  TOP w4.5: C40.2@42559.87,42000.83 42549.17,41990.13 42549.17,41951.68 42578.82,41922.03 42578.82,41899.47 42589.82,41888.47 42589.82,41875.48 42594.2,41871.1 IC2.3@42594.2,41833.66 42594.2,41803.85 42578.82,41788.47 42578.82,41775.41 42567.88,41764.47 42447.82,41764.47 42399.82,41716.47 42399.82,41680.47 42480.88,41599.41 42551.68,41599.41 42562.62,41588.47 42562.62,41576.24 J2.5@42574.84,41564.02
ML_C_LANE0_P: C39.2 IC2.1 J2.3 | length 722.7
  TOP w4.5: C39.2@42527.47,42000.83 42538.17,41990.13 42538.17,41947.12 42567.82,41917.47 42567.82,41900.47 42554.83,41887.48 IC2.1@42554.83,41833.66 42554.83,41800.46 42567.82,41787.47 42567.82,41779.97 42563.32,41775.47 42443.26,41775.47 42388.82,41721.03 42388.82,41675.91 42476.32,41588.41 42547.12,41588.41 42551.62,41583.91 42551.62,41576.23 J2.3@42539.41,41564.02
ML_C_LANE1_N: C43.2 IC2.6 J2.11 | length 699.9
  TOP w4.5: C43.2@42629.68,42000.83 42618.39,41989.54 42618.39,41977.9 42638.82,41957.47 42638.82,41880.47 42653.26,41866.03 IC2.6@42653.26,41833.66 42653.26,41787.92 42641.05,41775.71 42641.05,41757.14 42608.38,41724.47 42504.82,41724.47 42490.82,41710.47 42490.82,41649.47 42504.82,41635.47 42593.38,41635.47 42633.49,41595.36 42633.49,41576.24 J2.11@42645.71,41564.02